# Allegro board 20250806_UNOQ.brd (continued)
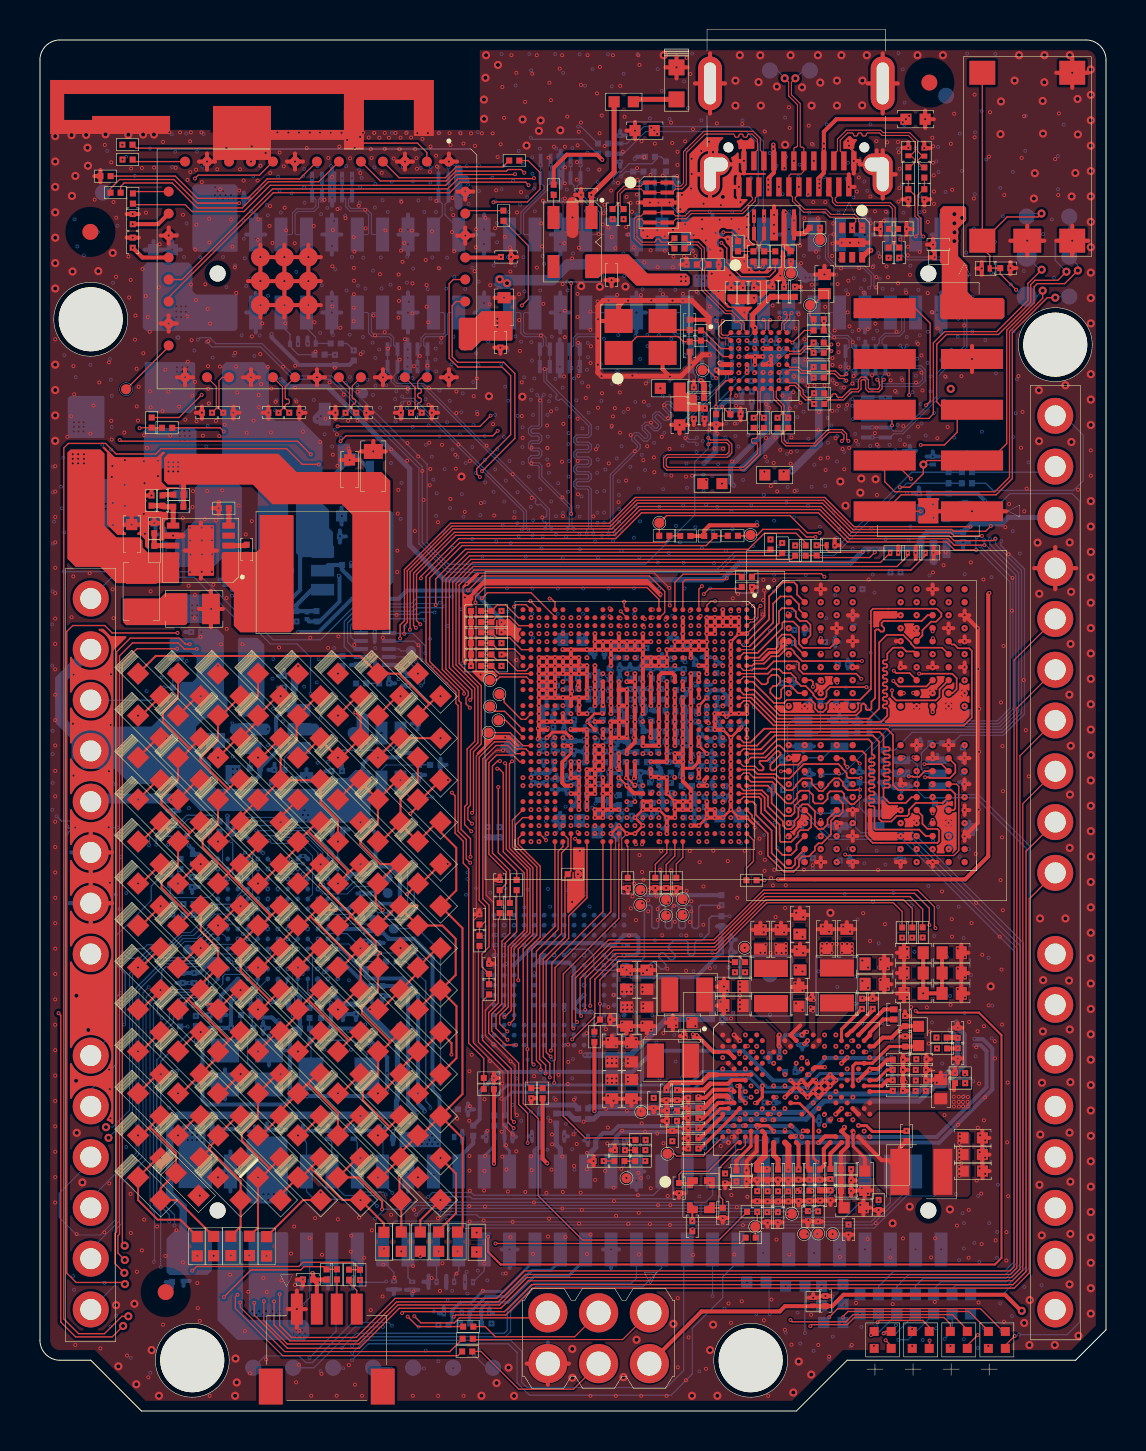
[diagram p0: board, top side]
## Copper pours and planes (outline as drawn; the poured copper is in the pictures) (continued)
PWR_3P3V on G7: 6.48,59.02 6.48,50 7.19,49.29 7.19,38.32 4.63,35.76 4.63,32.75 4.06,32.18 1.08,32.18 0.9,32.36 0.9,41.33 4.18,44.61 4.18,60.44 5.6,61.86 9.83,61.86 10.13,61.56 10.13,59.97 9.95,59.79 7.25,59.79
PWR_3P8V on BOTTOM (solid shape): 10.11,46.2 10.11,42.7 9.17,42.7 8.69,42.21 6.88,42.21 6.76,42.34 6.76,43.54 7.75,44.53 7.75,46.18 7.95,46.38 9.93,46.38
PWR_3P8V on V5: 15.47,42.6 15.67,42.39 15.67,42.15 14.72,41.2 13.94,41.2 13.51,40.77 13.51,37.01 13.21,36.7 12.29,36.7 11.86,37.13 11.86,38.2 11.87,38.21 11.87,41.54 11.87,41.54 11.87,42.31 12.16,42.6
PWR_3P8V on S6: 10.86,35.15 9.52,33.8 9.52,31.7 9.57,31.64 9.96,31.64 13.01,34.68 13.01,36.28 13.47,36.76 13.47,37.14 13.47,37.14 13.47,37.71 13.38,37.8 11.8,37.8 10.86,36.85
PWR_3P8V on S6: 15.63,42.59 15.22,42.59 14.64,42.01 11.42,42.01 10.33,43.1 10.33,43.32 10.14,43.51 9.86,43.51 9.78,43.43 9.78,42.85 11.18,41.45 14.75,41.45 15.67,42.37 15.67,42.55
USB_IN_MID on TOP: 40.97,11.76 40.97,12.21 40.65,12.53 40.65,13.13 40.75,13.23 40.87,13.23 41.7,12.4 41.7,11.73 41,11.73
USB_VBUS_IN on TOP: 39.9,9.93 39.9,12.9 40.15,13.15 40.36,13.15 40.55,12.96 40.55,12.53 40.34,12.32 40.34,10.74 40.56,10.52 40.56,9.88 40.54,9.86 39.98,9.86
VCOIN on BOTTOM (solid shape): 8.61,8.94 8.61,7.04 8.38,6.81 6.48,6.81 6.32,6.96 6.32,8.61 6.76,9.04 8.51,9.04
VCONN_IN on TOP (solid shape): 32.31,50.95 32.41,50.85 32.82,50.85 32.87,50.8 32.87,50.39 32.94,50.32 33.38,50.32 33.43,50.27 33.43,50.01 31.72,50.01 31.7,50.04 31.7,51.44 32.31,51.44
VPH_PWR on TOP: 34.81,18.34 34.29,18.34 32.92,19.71 32.36,19.71 32.36,19.15 32.38,19.13 32.87,19.13 33.87,18.13 34.88,18.13 34.88,18.28
VPH_PWR on TOP: 46.56,10.85 46.56,13.84 46.41,14 45.74,14 44.78,14.96 41.92,14.96 41.64,14.68 41.43,14.68 40.89,15.22 40.72,15.22 40.59,15.09 40.59,15.01 41.27,14.33 41.51,14.33 41.78,14.06 43.93,14.06 44.65,13.34 44.65,10.87 44.83,10.69 46.41,10.69
VPH_PWR on S3: 45.82,14.02 45.82,11.61 46.51,11.61 46.51,14.02
VPH_PWR on S6: 46.48,13.94 46.48,11.63 45.77,11.63 45.77,13.94
VPH_PWR on G7: 32.18,17.07 32.18,19.05 32.69,19.56 36.81,19.56 37.8,20.55 39.65,20.55 41.27,18.93 41.27,15.23 40.8,14.76 40.8,13.79 41.08,13.51 45.19,13.51 45.72,14.05 46.15,14.05 46.87,13.33 46.87,11.89 46.32,11.34 37.94,11.34 37.76,11.52 37.76,13.7 38.31,14.25 39.01,14.25 39.22,14.46 39.22,15.44 38.68,15.98 38.68,18.21 38.33,18.57 36.8,18.57 36.27,18.03 36.27,17.37 36.78,16.87 36.78,15.72 36.55,15.49 36.55,15.14 35.84,15.14 35.71,15.27 35.71,16.05 35.31,16.46 32.79,16.46
VREG_L1A_0P848V on TOP: 36.34,17.93 36.34,18.61 35.94,19.01 36.03,19.01 36.03,19.01 35.3,19.01 34.87,19.44 34.87,21.56 35.48,21.56 35.48,19.99 35.93,19.54 36.21,19.54 36.88,18.87 36.88,17.86 36.85,17.83 36.43,17.83
VREG_L1A_0P848V on BOTTOM: 28.21,37.21 28.21,35.45 28.4,35.26 28.4,34.37 28.91,34.37 28.91,35.26 28.72,35.45 28.72,37.27 28.95,37.5 28.95,37.75 28.9,37.8 28.55,37.8 28.5,37.75 28.5,37.49
VREG_L1A_0P848V on BOTTOM: 30.98,35.8 31.3,35.8 31.3,35.42 31.27,35.38 31.17,35.38 31.14,35.35 31.14,32.78 31.65,32.78 31.68,32.81 31.68,33.09 31.65,33.13 31.49,33.13 31.46,33.16 31.46,34.24 31.52,34.3 31.87,34.3 31.9,34.34 31.9,34.62 31.82,34.7 31.6,34.7 31.55,34.75 31.55,36.1 31.3,36.35 31.3,36.75 31.25,36.8 30.96,36.8 30.92,36.75 30.92,35.86
VREG_L1A_0P848V on BOTTOM: 32.44,35.7 32.44,35.35 32.49,35.31 32.49,34.19 32.54,34.14 32.54,33.09 32.44,33 32.44,31.65 32.75,31.65 32.75,31.8 32.82,31.87 32.82,32.59 32.89,32.65 33.21,32.65 33.21,32.94 33.17,32.97 32.97,32.97 32.79,33.15 32.79,34.21 32.73,34.27 32.67,34.27 32.63,34.3 32.63,34.65 32.67,34.69 32.89,34.69 33,34.8 33,36.5 32.7,36.5 32.7,35.96
VREG_L1A_0P848V on G2: 28.4,36.91 28.4,35.29 28.31,35.19 27.99,35.19 27.9,35.1 27.77,35.1 27.67,35 27.67,34.43 27.74,34.37 28.21,34.37 28.28,34.43 28.28,34.53 28.21,34.59 28.05,34.59 27.99,34.65 27.99,34.97 28.05,35.03 28.4,35.03 28.44,35 28.44,34.81 28.47,34.78 28.69,34.78 28.75,34.84 28.75,36.91 28.66,37.01 28.5,37.01
VREG_L1A_0P848V on G2: 31.2,36.56 31.2,32.65 31.17,32.62 30.18,32.62 29.8,33 29.71,33 29.64,32.94 29.64,32.81 30.22,32.24 31.49,32.24 31.55,32.3 31.55,36.53 31.46,36.62 31.27,36.62
VREG_L1A_0P848V on S3: 32.38,31.66 32.38,36.94 32.44,37.01 32.67,37.01 32.73,36.94 32.73,31.66 32.67,31.6 32.44,31.6
VREG_L1A_0P848V on S3: 27.67,34.43 27.67,34.62 27.77,34.72 28.18,34.72 28.37,34.91 28.37,36.91 28.44,36.97 28.72,36.97 28.79,36.91 28.79,34.62 28.56,34.4 27.7,34.4
VREG_L1A_0P848V on S3: 30.69,32.17 31.39,32.17 31.55,32.33 31.55,36.62 31.49,36.69 31.23,36.69 31.17,36.62 31.17,32.71 31.08,32.62 30.57,32.62 30.47,32.52 30.47,32.4
VREG_L1A_0P848V on S6: 28.91,37.17 28.91,34.43 28.28,34.43 28.28,37.17
VREG_L1A_0P848V on S6: 29.62,30.83 29.72,30.93 29.72,31.46 29.63,31.55 29.35,31.55 29.18,31.72 28.98,31.72 28.85,31.85 28.56,31.85 28.47,31.76 28.47,31.6 28.79,31.28 29.12,31.28 29.24,31.17 29.24,30.91 29.32,30.83
VREG_L1A_0P848V on S6: 31.55,36.21 31.55,34.72 31.65,34.62 31.81,34.62 31.87,34.56 31.87,34.43 31.81,34.37 31.58,34.37 31.52,34.3 31.52,33.25 31.71,33.06 31.71,32.94 31.15,32.94 31.15,34.63 31.2,34.69 31.2,35.7 30.98,35.93 30.98,36.47 31.17,36.66 31.46,36.66 31.46,36.31
VREG_L1A_0P848V on S6: 32.38,36.59 32.38,34.7 32.78,34.7 32.89,34.81 32.89,36.72 32.51,36.72
VREG_L1A_0P848V on G7: 34.8,23.6 33.5,24.9 28.7,24.9 26.56,27.04 26.56,32.55 28.34,34.34 28.34,35.07 28.2,35.21 28.2,37.05 28.3,37.15 28.65,37.15 28.79,37.01 32.41,37.01 32.95,36.47 32.95,34.94 32.67,34.65 32.67,33.41 33.21,32.87 33.21,32.01 32.79,31.6 32.28,31.6 32.06,31.82 31.62,31.82 31.35,32.09 29.93,32.09 29.87,32.02 29.87,30.72 29.47,30.32 29.47,28.83 30.15,28.15 35.8,28.15 37.6,26.35 37.6,21.7 35.92,20.02 35.23,20.02 34.8,20.45
VREG_L2A_1P128V on S3: 41.64,42.71 48.32,42.71 48.49,42.55 48.49,26.27 47.28,25.06 44.67,25.06 43.65,24.04 43.22,24.04 42.9,23.72 42.9,22.53 39.47,19.1 39.47,18.36 39.33,18.22 38.22,18.22 38.12,18.32 38.12,18.44 38.73,19.05 38.73,19.65 39.3,20.22 39.3,21.31 40.79,22.81 40.79,24.23 41.33,24.77 41.33,24.78 43.6,27.05 43.6,27.5 43.7,27.59 43.95,27.59 44.32,27.22 46.36,27.22 46.94,27.81 46.94,31.67 46.85,31.77 46.2,31.77 46.13,31.83 46.13,32.21 46.2,32.28 46.83,32.28 46.94,32.39 46.94,33.09 46.24,33.09 46.18,33.16 46.18,35.38 46.31,35.51 46.75,35.51 46.91,35.67 46.91,36.28 46.85,36.35 46.2,36.35 46.13,36.41 46.13,36.82 46.26,36.95 46.83,36.95 46.91,37.03 46.91,41.46 46.69,41.68 44.37,41.68 44.24,41.55 44.24,41.05 44.15,40.95 43.73,40.95 43.64,41.05 43.64,41.52 43.48,41.68 40.42,41.68 40.11,41.36 40.11,41.05 40.04,40.98 39.6,40.98 39.57,41.01 39.57,42.47 39.81,42.71 41.64,42.71
VREG_L2A_1P128V on V5: 42.24,31.88 42.24,30.68 42.39,30.53 42.93,30.53 43.08,30.68 43.08,31.8 42.88,32 42.37,32
VREG_L2A_1P128V on V5: 40.08,31.88 40.08,30.71 40.26,30.53 40.94,30.53 41.1,30.68 41.1,31.83 40.94,31.98 40.18,31.98
VREG_L2A_1P128V on S6: 33.27,31.07 33.27,31.8 33.36,31.9 33.49,31.9 33.56,31.96 33.65,31.96 33.78,32.09 33.78,32.77 33.17,33.38 33.17,33.57 33.35,33.75 33.79,33.75 34.1,34.06 34.1,34.85 33.91,35.04 33.01,35.04 32.95,35.1 32.95,35.4 33.05,35.5 33.5,35.5 33.56,35.56 33.56,36.44 33.49,36.51 33.27,36.51 33.17,36.6 33.17,36.89 33.27,36.98 34.38,36.98 34.99,37.59 38.66,37.59 38.86,37.39 38.86,36.73 38.96,36.63 40.57,36.63 40.63,36.7 40.63,37.37 40.28,37.71 40.28,38.13 40.47,38.32 43.3,38.32 43.46,38.16 43.46,37.14 43.65,36.95 46.39,36.95 46.71,36.63 46.71,31.83 46.46,31.58 39.61,31.58 39.23,31.2 36.43,31.2 36.12,30.88 33.46,30.88
VREG_L2A_1P128V on S6: 39.52,27.69 39.52,26.57 39.65,26.44 43.99,26.44 44.09,26.54 44.09,27.56 44.02,27.64 43.38,27.64 43.33,27.58 43.33,27.05 43.21,26.92 40.36,26.92 40.28,27 40.28,27.66 40.18,27.76 39.6,27.76
VREG_L3A_0P6V on G2: 32.86,37.04 32.86,36.04 33.15,35.75 33.15,35.6 32.86,35.31 32.86,34.81 33.11,34.56 33.11,34.46 32.86,34.21 32.86,33.19 33.08,32.97 33.08,32.81 32.82,32.55 32.82,31.63 32.89,31.57 33.11,31.57 33.21,31.66 33.21,32.46 33.46,32.71 33.46,32.94 33.14,33.25 33.14,33.7 33.36,33.92 33.36,34.69 33.17,34.88 33.17,35.35 33.46,35.64 33.46,35.73 33.17,36.02 33.17,37.04
VREG_L3A_0P6V on S3: 40.54,38.99 43.08,38.99 43.21,39.12 43.21,39.4 43.08,39.52 42.83,39.52 42.62,39.73 42.62,40.18 42.72,40.28 43.29,40.28 43.45,40.44 43.45,40.7 43.32,40.82 42.87,40.82 42.78,40.92 42.78,40.92 42.43,41.27 41.16,41.27 40.52,40.63 40.52,40.38 40.62,40.28 41,40.28 41.15,40.13 41.15,39.73 40.94,39.52 40.36,39.52 40.3,39.45 40.3,39.23
VREG_L3A_0P6V on S3: 40.69,29.61 43.02,29.61 43.16,29.47 43.16,29.14 42.86,28.84 42.86,28.49 43.19,28.16 43.19,28.02 42.92,27.75 42.92,26.71 41.49,25.28 39.3,25.28 39.17,25.15 39.17,21.8 37.81,20.44 37.81,18.07 37.58,17.84 37.17,17.84 37.17,18.98 36.76,19.39 36.76,22.1 37.55,22.89 37.55,26.65 37.77,26.87 40.76,26.87 40.92,27.03 40.92,27.55 40.55,27.92 40.55,28.36 40.56,28.36 40.92,28.72 40.92,28.87 40.58,29.21 40.58,29.5
VREG_L3A_0P6V on V5: 36.07,41.27 47.33,41.27 47.33,27.63 36.63,27.63 35.97,28.29 35.97,34.89 35.53,35.33 35.53,35.42 33.08,35.42 32.7,35.8 32.7,37.2 32.95,37.45 33.3,37.45 33.52,37.67 33.52,38.72
VREG_L3A_0P6V on G7: 32.98,34.53 32.98,37.1 33.24,37.36 33.65,37.36 33.75,37.26 33.75,34.59 33.56,34.4 33.4,34.4 33.3,34.3 33.3,33.79 33.3,33.75 32.95,33.75 32.95,34.49
VREG_L5A_1P232V on V5: 27.32,36.02 27.32,36.75 26.97,37.1 25.45,37.1 22.71,34.37 22.71,18.46 26.52,14.66 31.22,14.66 31.22,13.91 32.44,13.93 32.69,14.17 32.69,14.71 32.54,14.86 31.95,14.86 31.29,15.52 26.96,15.52 23.48,19.01 23.48,34.08 25.38,35.99 27.29,35.99
VREG_L5A_1P232V on S6: 30.53,31.66 30.31,31.44 30.31,28.13 31.17,27.28 31.17,14.48 31.69,13.95 33.22,13.95 33.22,27.03 30.82,29.43 30.82,31.5 30.66,31.66
VREG_L5A_1P232V on G7: 27,36.05 26.27,36.05 26.27,36.75 26.08,36.94 26.08,38.09 26.72,38.72 33.97,38.72 35.25,37.44 35.25,34.8 35.4,34.65 35.4,33.95 35.34,33.89 35.06,33.89 34.83,33.67 34.29,33.67 34.13,33.51 34.13,33.41 34.38,33.16 34.38,31.06 34.19,30.87 30.88,30.87 30.47,31.28 30.47,31.6 30.53,31.66 30.69,31.66 31.01,31.35 33.71,31.35 33.84,31.47 33.84,33.09 33.45,33.49 33.45,34.2 33.5,34.25 34.2,34.25 34.57,34.62 34.57,37.36 33.83,38.1 30.95,38.1 30.71,37.87 30.15,37.87 29.87,37.58 29.26,37.58 28.85,37.99 27.61,37.99 27,37.39
VREG_L7A_0P664V on V5: 31.71,36.4 31.71,36.75 31.9,36.94 31.9,37.2 32.25,37.55 32.25,37.9 31.23,38.91 26.11,38.91 21.81,34.61 21.81,17.97 26.27,13.51 31.29,13.51 31.32,13.49 32.03,13.49 32.84,14.3 32.84,14.78 32.89,14.83 33.38,14.83 34.21,14 34.21,12.62 33.6,12.01 26.08,12.01 21.03,17.07 21.03,34.88 25.64,39.49 31.55,39.49 32.82,38.21 32.82,37.42 32.6,37.2 32.6,36.91 32,36.31 31.81,36.31
VREG_L7A_0P664V on S6: 31.55,36.75 31.55,36.47 31.71,36.31 32.19,36.31 32.35,36.47 32.35,37.61 32.22,37.61 31.97,37.36 31.97,36.88 31.9,36.82 31.62,36.82
VREG_L8A_1P0V on V5: 28.5,33.7 27.83,33.7 27.29,34.24 27.29,34.49 27.16,34.62 27,34.62 26.59,34.21 25.19,34.21 24.68,33.7 24.68,19.93 25.98,18.63 30.64,18.63 32.46,16.81 32.46,16.15 31.72,16.15 30.08,17.9 25.53,17.9 24.05,19.39 24.05,33.95 25.03,34.94 26.69,34.94 26.91,35.16 27.26,35.16 28.34,34.08 28.44,34.08 28.59,33.92 28.59,33.79
VREG_L9A_1P0V on V5: 27.64,33.54 27.64,33.76 27.48,33.92 26.34,33.92 24.84,32.43 24.84,20.18 26.27,18.75 30.68,18.75 32.54,16.89 32.54,15.9 32.66,15.77 33.1,15.77 33.22,15.9 33.22,17.48 31.34,19.36 26.75,19.36 25.45,20.66 25.45,32.18 26.75,33.48 27.58,33.48
VREG_L10A_1P3V on V5: 32.06,37.52 31.65,37.52 30.88,38.28 26.43,38.28 22.55,34.4 22.55,18.4 26.55,14.4 30.4,14.4 30.53,14.53 30.53,14.61 31.14,14.61 31.14,13.87 30.94,13.67 26.31,13.67 21.95,18.02 21.95,34.59 26.15,38.79 31.14,38.79 32.16,37.77 32.16,37.61
VREG_L12A_0P9V on S6: 31.25,30.35 31.25,29.75 33.45,27.55 33.45,13.97 32.79,13.31 32.79,13.03 32.85,12.97 33.84,12.97 34.42,13.55 34.42,24.9 34.6,25.08 34.6,26.2 34.42,26.38 34.42,27.84 32.41,29.85 32.41,31.19 32.32,31.28 32.12,31.28 31.87,31.03 31.87,30.97
VREG_L13A_1P8V on BOTTOM: 31.52,31.05 31.52,29.35 31.4,29.23 31.4,27.35 31.1,27.05 21.31,27.05 21.25,26.99 21.25,26.56 21.31,26.5 31.35,26.5 32,27.15 32,29.2 31.95,29.25 31.95,31.05
VREG_L13A_1P8V on BOTTOM: 25.54,34.88 25.54,34.56 26.02,34.56 26.02,35.89 26.11,35.99 26.53,35.99 26.53,36.31 26.11,36.31 26.02,36.4 26.02,36.97 25.57,36.97 25.57,34.91
VREG_L13A_1P8V on G2: 29.17,30.33 29.17,30.62 29.59,31.05 31.05,31.05 31.52,30.58 31.52,30.36 31.46,30.3 31.3,30.3 31.05,30.55 29.73,30.55 29.48,30.3 29.2,30.3
VREG_L13A_1P8V on G2: 29.95,34.69 29.95,33.7 29.69,33.44 28.98,33.44 28.88,33.54 28.88,34.65 28.79,34.75 28.44,34.75 28.4,34.78 28.4,34.94 28.37,34.97 28.12,34.97 28.05,34.91 28.05,34.65 28.09,34.62 28.25,34.62 28.28,34.59 28.63,34.59 28.69,34.53 28.69,33.95 28.6,33.86 28.6,33.45 28.69,33.36 28.69,33.29 28.88,33.1 29.78,33.1 30.1,32.78 30.23,32.78 30.3,32.85 30.3,32.95 30.05,33.2 30.05,33.35 30.41,33.71 30.41,34.69
VREG_L13A_1P8V on S3: 26.43,36.59 26.43,35.13 26.37,35.07 25.86,35.07 25.73,35.19 25.73,35.38 25.83,35.48 26.15,35.48 26.27,35.61 26.27,35.83 26.02,36.08 26.02,36.56 26.05,36.59
VREG_L13A_1P8V on S6: 25.97,36.92 22.32,36.92 20.85,35.46 20.85,14.34 26.89,8.31 37.54,8.31 37.94,8.71 37.94,9.41 37.75,9.6 35.86,9.6 35.55,9.91 26.91,9.91 21.87,14.95 21.87,33.55 22.95,34.63 25.85,34.63 26.13,34.92 26.13,35.81 26.58,36.25 26.58,36.38 26.48,36.47 26.2,36.47 26.13,36.54 26.13,36.76
VREG_L13A_1P8V on G7: 24.91,34.14 27.04,34.14 27.58,34.69 28.15,34.69 28.21,34.75 28.21,35.1 27.9,35.41 27.9,37.1 28.16,37.36 28.59,37.36 28.7,37.25 31.5,37.25 31.7,37.45 31.7,37.65 31.5,37.85 31.05,37.85 30.72,37.52 29.2,37.52 28.88,37.83 27.55,37.83 27.1,37.39 27.1,35.19 26.97,35.07 26.21,35.07 26.15,35.13 26.15,36.72 25.92,36.94 25.67,36.94 24.91,36.18
VREG_L15A_1P8V on TOP (solid shape): 46.34,60.18 46.34,59.56 45.94,59.16 45.94,57.77 46.41,57.3 46.41,55.98 46.71,55.68 48.16,55.68 48.26,55.58 48.26,54.74 48.13,54.61 45.14,54.61 45.04,54.71 45.04,55.81 45.12,55.89 45.12,57.38 45.04,57.46 45.04,60.11 45.2,60.27 46.25,60.27
VREG_L15A_1P8V on BOTTOM (solid shape): 10.16,8.94 10.16,4.88 10.48,4.56 13.25,4.56 13.48,4.33 13.48,3.77 13.27,3.56 9.86,3.56 8.88,4.54 8.88,8.88 9.01,9.01 10.09,9.01
VREG_L15A_1P8V on BOTTOM (solid shape): 20.07,14.68 20.07,13.26 20.01,13.2 17.98,13.2 17.98,13.87 18.08,13.97 19.28,13.97 19.46,14.15 19.46,14.63 19.56,14.73 20.02,14.73
VREG_L15A_1P8V on S3 (solid shape): 7.45,58.12 7.45,57.12 7.24,56.92 6.43,56.92 6.29,57.06 6.29,58.21 6.31,58.23 7.34,58.23
VREG_L15A_1P8V on S3 (solid shape): 20.75,12.96 20.75,12.33 20.62,12.2 19.72,12.2 19.46,12.46 19.46,13.1 19.56,13.2 20.51,13.2
VREG_L15A_1P8V on S6 (solid shape): 14.57,4.05 14.57,3.61 14.48,3.52 12.73,3.52 12.59,3.66 12.59,4.01 12.76,4.18 14.44,4.18
VREG_L15A_1P8V on S6 (solid shape): 20.65,12.9 20.65,12.42 20.55,12.32 20.02,12.32 18.69,13.64 18.69,13.79 18.85,13.94 19.61,13.94
VREG_L15A_1P8V on BOTTOM: 25.35,32.87 24.61,32.87 24.48,32.75 24.48,31.23 24.54,31.16 25.53,31.16 25.62,31.26 26.51,31.26 26.51,30.66 26.42,30.56 25.11,30.56 24.92,30.37 24.92,28.33 25.11,28.14 29.25,28.14 29.38,28.27 29.38,29.92 29.44,29.99 29.73,29.99 29.82,29.89 29.82,27.44 29.73,27.35 21.09,27.35 20.93,27.19 20.93,25.3 21.68,24.55 21.68,16 21.05,15.37 21.05,14.41 20.85,14.21 20.85,13.4 20.64,13.19 18.69,13.19 18.6,13.28 18.6,13.88 19.88,15.16 19.88,15.77 20.41,16.3 20.41,23.34 19.31,24.44 19.31,29.27 19.91,29.88 19.91,33.88 19.05,34.75 16.65,34.75 16.46,34.56 16.46,33.36 16.37,33.27 15.82,33.27 15.59,33.5 14.97,33.5 14.92,33.55 14.92,34.45 14.16,35.21 14.16,37.24 14.35,37.43 16.59,37.43 16.63,37.39 16.63,37.09 16.23,37.09 15.96,36.82 15.96,36.09 16.1,35.95 21.28,35.95 21.72,36.39 21.72,37.47 22.4,38.15 27.83,38.15 27.9,38.09 27.9,37.74 27.74,37.58 24.97,37.58 24.87,37.48 24.87,33.79 24.97,33.7 25.38,33.7 25.38,32.9
VREG_L15A_1P8V on G2: 26.43,33.76 26.43,33.48 26.37,33.41 26.2,33.41 26.14,33.35 26.14,33.21 26.4,32.95 26.65,32.95 26.8,33.1 26.8,33.7 26.4,34.1 25.59,34.1 25.26,33.76 25.26,33.64 25.3,33.6 25.45,33.6 25.48,33.63 25.48,33.73 25.57,33.83 26.37,33.83
VREG_L15A_1P8V on S3: 13.48,3.38 19.67,3.38 20.11,3.82 20.11,5.89 20.41,6.2 20.41,7.12 20.38,7.16 19.14,7.16 19.01,7.03 19.01,4.49 18.88,4.36 13.51,4.36 13.38,4.23 13.38,3.48
VREG_L15A_1P8V on V4: 20.9,12.22 20.95,12.26 20.95,13.74 20.1,14.59 17.54,14.59 16.78,15.35 16.78,32.26 16.41,32.63 15.18,32.63 11.84,35.97 11.84,38.24 10.76,39.33 10.76,44.2 8.71,46.25 8.71,48.65 7.62,49.74 7.62,51.5 6.18,52.94 6.18,55.97 7.62,57.41 7.62,57.96 7.14,58.44 4.89,58.44 4.45,58 4.45,50.9 5.68,49.67 5.68,39.81 6.04,39.45 7.61,39.45 8.25,38.81 8.25,36.27 10.45,34.07 10.45,30.86 10.75,30.56 13.26,30.56 13.93,29.89 13.93,14.46 16.17,12.22
VREG_L15A_1P8V on V5: 20.32,13.39 19.35,13.39 19.1,13.13 19.1,6.94 19.3,6.74 20.33,6.74 20.68,7.09 20.68,13.03
VREG_L15A_1P8V on V5: 23.26,62.65 23.75,63.15 23.75,65.44 24.75,66.43 27.19,66.43 29.36,64.26 29.36,62.95 29.44,62.86 32.58,62.86 33.34,63.62 42.45,63.62 44.84,61.23 44.84,58.54 45.33,58.05 46.48,58.05 46.75,58.32 46.75,61.43 43.19,64.99 31.02,64.99 28.13,67.88 23.99,67.88 22.55,66.44 22.55,64.28 22.12,63.86 6.28,63.86 5.51,63.09 5.51,57.68 5.82,57.37 7.16,57.37 7.35,57.56 7.35,58.06 6.95,58.47 6.95,61.62 7.98,62.65
VREG_L15A_1P8V on S6: outline of 84 points within 27.48,20.14 47.8,60.3
VREG_L15A_1P8V on S6: 28.27,12.58 29.67,11.18 36.65,11.18 36.65,12.67 31.53,12.67 30.6,13.6 30.6,14.07 30.61,14.08 30.61,26.84 29.91,27.54 29.91,30.06 29.77,30.2 29.37,30.2 29.28,30.11 29.28,29.1 28.39,28.2
VREG_L15A_1P8V on G7: 29.5,29.65 29.5,30.25 30.06,30.81 33.4,30.81 33.4,30.11 33.11,30.11 32.89,30.33 32.62,30.33 32.37,30.08 30.21,30.08 29.78,29.65
VREG_L20A_2P96V on S3: 37.75,11.1 37.75,10.75 37.95,10.55 37.95,9.35 37.6,9 28.95,9 28.3,9.65 28.3,11.15 28.2,11.25 27.55,11.25 27.35,11.05 27.35,9.65 28.45,8.55 37.9,8.55 38.3,8.95 38.3,11.05 38.5,11.25 38.5,14.15 38.4,14.25 38.1,14.25 38.05,14.2 38.05,11.4
VREG_L20A_2P96V on S6: 28.3,11.3 27.75,11.85 27.75,20.8 27.65,20.9 27.2,20.9 27.1,20.8 27.1,11.5 27.85,10.75 28,10.75 28.3,11.05
VREG_L22A_3P3V on TOP (solid shape): 23.65,53.59 23.6,53.54 22.1,53.54 21.62,53.06 21.08,53.06 20.95,53.19 20.95,54.61 21.03,54.69 21.77,54.69 22.1,55.02 23.65,55.02
VREG_L22A_3P3V on S3 (solid shape): 24.3,54.55 24.3,53.45 24.16,53.31 23.37,53.31 22.61,54.08 22.61,54.84 22.68,54.91 23.93,54.91
VREG_L22A_3P3V on V4 (solid shape): 23.67,56.9 23.67,54.42 24.2,53.9 24.2,53.42 24.08,53.3 23.3,53.3 22.76,53.85 22.76,56.82 22.91,56.97 23.6,56.97
VREG_S1A_0P8V on TOP: 39.01,23.47 39.01,21.74 40.74,21.74 40.74,23.47
VREG_S1A_0P8V on BOTTOM: 27.2,31.98 27.2,29.93 27.19,29.94 26.75,29.94 26.7,29.89 26.7,28.62 26.77,28.56 28.07,28.56 28.17,28.65 28.17,29.48 28.07,29.57 28.07,30.13 28.12,30.17 28.12,30.58 28.18,30.65 29.1,30.65 29.17,30.71 29.17,31 29.07,31.09 28.28,31.09 28.18,31.19 28.18,32.01 28.44,32.27 28.44,33.25 28.4,33.29 28.12,33.29 28.09,33.32 28.09,33.64 28.05,33.67 27.61,33.67 27.61,32.4
VREG_S1A_0P8V on G2: 27.16,30.03 27.16,32.19 27.23,32.25 27.54,32.25 27.61,32.31 27.61,33.28 27.7,33.38 28.25,33.38 28.37,33.26 28.37,32 28.31,31.93 28.05,31.93 27.99,31.87 27.99,30.6 27.93,30.54 27.73,30.54 27.54,30.34 27.54,30.03 27.48,29.96 27.23,29.96
VREG_S1A_0P8V on S3: 39.01,23.46 39.01,22.54 40.47,22.54 40.76,22.83 40.76,23.37 40.67,23.46
VREG_S1A_0P8V on S3: 27.16,30.04 27.16,32.24 27.23,32.3 27.51,32.3 27.58,32.36 27.58,33.35 27.67,33.44 28.25,33.44 28.31,33.38 28.31,31.95 28.28,31.92 27.99,31.92 27.93,31.85 27.93,30.46 27.42,29.95 27.26,29.95
VREG_S1A_0P8V on V5: 29.89,21.15 25.8,25.24 25.8,31.35 27.2,32.75 27.2,33.16 27.55,33.51 28.02,33.51 28.21,33.32 28.21,33.09 28.56,32.75 29.55,32.75 30.34,31.95 30.34,26.86 32.66,24.55 35.48,24.55 35.67,24.36 35.67,23.1 35.89,22.89 38.49,22.89 39.65,24.04 41.17,24.04 41.27,23.95 41.27,21.5 40.92,21.15
VREG_S1A_0P8V on S6: 26.89,28.87 26.89,29.38 27.07,29.56 27.07,32.08 27.58,32.59 27.58,33.44 27.77,33.64 27.99,33.64 28.4,33.22 28.4,32.68 28.34,32.62 28.34,32.04 28.09,31.8 28.09,31.36 27.96,31.22 27.96,30.3 27.67,30.01 27.67,29.56 27.98,29.26 27.98,28.91 27.91,28.84 26.93,28.84
VREG_S2A_0P8V on TOP: 35.71,23.47 35.71,21.72 37.42,21.72 37.42,23.47
VREG_S2A_0P8V on BOTTOM: 29.74,33.32 29.74,33.6 29.49,33.86 29.49,35.32 29.33,35.48 29.33,36.82 29.36,36.85 30.76,36.85 30.82,36.78 30.82,36.47 30.79,36.43 29.9,36.43 29.77,36.31 29.77,35.42 29.93,35.26 29.93,33.95 30.15,33.73 30.15,33.35 30.09,33.29 29.77,33.29
VREG_S2A_0P8V on G2: 29.52,33.68 29.52,36.25 29.51,36.25 29.26,36.25 29.2,36.31 29.2,36.63 29.26,36.7 29.51,36.7 29.58,36.76 29.58,37.01 29.64,37.08 31.86,37.08 31.93,37.01 31.93,33.25 31.87,33.19 31.65,33.19 31.58,33.25 31.58,36.56 31.46,36.69 30.95,36.69 30.78,36.52 30.78,33.73 30.7,33.65 30.5,33.65 30.47,33.68 30.47,36.53 30.34,36.66 30.05,36.66 29.87,36.48 29.87,33.72 29.75,33.6 29.6,33.6
VREG_S2A_0P8V on S3: 29.26,32.84 29.26,33.38 29.51,33.63 29.51,36.19 29.45,36.25 29.32,36.25 29.26,36.31 29.26,36.63 29.32,36.7 29.51,36.7 29.58,36.76 29.58,37.08 29.64,37.14 30.72,37.14 30.78,37.08 30.78,33.69 30.66,33.57 30.5,33.57 30.34,33.74 30.34,36.57 30.27,36.63 30.02,36.63 29.96,36.57 29.96,34.75 29.9,34.69 29.9,34.33 29.96,34.27 29.96,33.57 29.55,33.16 29.55,32.86 29.47,32.78 29.33,32.78
VREG_S2A_0P8V on S3: 35.89,23.72 35.89,22.83 37.42,22.83 37.42,23.72
VREG_S2A_0P8V on S3: 31.58,33.57 31.58,36.12 31.65,36.18 31.9,36.18 31.97,36.12 31.97,33.6 31.9,33.54 31.62,33.54
VREG_S2A_0P8V on V5: 30.98,26.47 30.98,31.6 30.92,31.66 30.92,32.17 30.28,32.81 29.77,32.81 28.18,34.4 28.09,34.4 27.35,35.13 27.35,36.75 27.51,36.91 31.58,36.91 33.17,35.32 35.4,35.32 35.89,34.83 35.89,32.6 35.91,32.59 35.91,28.03 37.36,26.58 37.36,23.21 37.16,23.01 35.97,23.01 35.83,23.15 35.83,24.36 35.51,24.68 32.78,24.68
VREG_S2A_0P8V on S6: 29.96,36.27 29.96,33.51 29.84,33.38 29.8,33.38 29.55,33.13 29.29,33.13 29.26,33.16 29.26,33.35 29.39,33.48 29.39,36.72 29.55,36.88 30.57,36.88 30.82,36.62 30.82,33.95 30.66,33.79 30.41,33.79 30.41,35.99 30.57,36.15 30.57,36.21 30.38,36.4 30.09,36.4
VREG_S2A_0P8V on S6: 27.34,37 27.3,37.04 27.3,37.4 27.4,37.5 27.4,38.9 27.35,38.95 27.1,38.95 27.05,38.9 27.05,36.9 27.39,36.56 27.39,35.66 27.55,35.5 27.55,35.32 27.39,35.16 27.39,34.81 27.93,34.81 27.93,37
VREG_S3A_1P352V on TOP: 31,21.74 31.83,21.74 31.93,21.64 31.93,19.99 31.9,19.95 31.29,19.95 31.24,19.9 29.07,19.9 29,19.96 29,21.39 30.66,21.39
VREG_S3A_1P352V on S3: 29.07,21.34 29.07,19.97 30.28,19.97 30.28,21.34
VREG_S3A_1P352V on V5: 28.8,21.03 28.8,20.73 30.06,19.47 32.91,19.47 34.34,18.03 34.34,15.49 34.67,15.16 35.26,15.16 35.38,15.29 35.38,15.54 35.2,15.72 35.15,15.72 35.13,15.75 35.13,16.33 36.07,17.27 38.05,17.27 38.15,17.37 38.15,18.16 38.76,18.77 38.76,19.35 38.63,19.48 37.7,19.48 37.54,19.32 37.54,18.26 37.41,18.14 35.97,18.14 33.6,20.5 31.52,20.5 30.68,21.34 29.11,21.34
VREG_S4A_2P04V on TOP: 31.22,18.39 31.22,16.69 30.3,16.69 29.94,16.33 28.33,16.33 28.27,16.39 28.27,17.79 29.8,17.79 30.4,18.39
VREG_S4A_2P04V on S3: 28.28,17.76 28.28,16.33 29.49,16.33 29.49,17.76
VREG_S4A_2P04V on V5: 41.83,21.2 42.39,21.21 42.55,21.2 42.55,17.64 41.1,16.2 41.1,15.34 39.37,13.61 34.7,13.61 33.4,14.91 32.05,14.91 31.52,15.44 31.52,15.49 31.14,15.88 28.09,15.88 28.04,15.93 28.04,17.83 28.07,17.86 30.02,17.86 31.78,16.1 32.44,16.1 32.49,16.05 32.49,15.9 32.64,15.75 33.1,15.75 33.22,15.88 33.91,15.88 34.67,15.11 34.95,15.11 34.98,15.14 38.33,15.14 40.54,17.35 40.55,17.34 41.68,18.48 41.68,21.06
VSW_CHG on TOP: 40.84,13.77 40.97,13.89 41.07,13.89 41.44,13.53 42.99,13.53 43.13,13.67 43.51,13.67 43.61,13.56 43.61,10.77 42.47,10.77 41.84,11.4 41.84,12.45 40.84,13.45
VSW_S1 on TOP: 40.67,20.16 40.67,20.83 39.01,20.83 39.01,19.76 38.88,19.63 38.88,18.7 38.57,18.38 38.57,18.16 38.6,18.13 38.88,18.13 39.14,18.38 39.14,18.98 39.22,19.06 39.57,19.06
VSW_S2 on TOP: 37.1,18.53 37.1,18.4 37.45,18.05 37.55,18.05 37.71,18.21 37.71,18.37 37.42,18.66 37.42,18.95 37.55,19.08 37.55,19.65 37.42,19.78 37.42,20.8 35.76,20.8 35.76,19.96 36.03,19.69 36.4,19.69 37.17,18.92 37.17,18.6
VSW_S3 on TOP: 32.82,21.69 32.82,19.96 34.04,18.75 34.04,18.72 34.35,18.4 34.53,18.4 34.62,18.5 34.62,19.1 33.68,20.04 33.68,21.69
VSW_S4 on TOP: 33.83,17.53 32.97,18.39 32.11,18.39 32.11,16.69 32.99,16.69 33.35,17.04 33.78,17.04 34.04,17.3 34.37,17.3 34.67,16.99 34.77,16.99 34.85,17.07 34.85,17.19 34.51,17.53
GND on TOP (solid shape): 42.86,40.01 42.9,39.99 42.9,39.94 42.86,39.88 42.85,39.81 42.86,39.76 42.88,39.71 42.87,39.66 42.83,39.64 42.44,39.64 42.43,39.64 42.21,39.64 42.16,39.63 42.12,39.6 42.03,39.51 42,39.47 41.99,39.42 42,39.27 41.99,39.23 41.95,39.21 41.84,39.21 41.81,39.2 41.77,39.19 41.72,39.18 41.69,39.23 41.69,39.98 41.73,40.01 42.44,40.01
GND on TOP (solid shape): 44.95,45.67 44.99,45.64 44.98,45.59 44.96,45.55 44.95,45.5 44.95,44.5 44.96,44.46 44.95,44.42 44.91,44.4 43.99,44.4 43.95,44.42 43.94,44.46 43.95,44.5 43.95,44.74 43.97,44.78 44.01,44.78 44.04,44.78 44.07,44.78 44.29,45 44.07,45.23 44.04,45.23 44.01,45.22 43.97,45.23 43.95,45.27 43.95,45.5 43.94,45.55 43.92,45.59 43.91,45.64 43.95,45.67
GND on TOP (solid shape): 38.07,29.81 38.09,29.86 38.14,29.85 38.2,29.83 38.26,29.82 38.33,29.83 38.47,29.69 38.47,29.62 38.44,29.57 38.39,29.58 38.33,29.61 38.26,29.62 38.11,29.56 38.05,29.41 38.07,29.33 38.11,29.26 38.12,29.2 38.08,29.17 38.04,29.17 38,29.17 37.96,29.14 37.83,29.01 37.81,28.97 37.8,28.93 37.8,28.85 37.75,28.8 37.7,28.79 37.67,28.82 37.62,28.9 37.54,28.95 37.53,28.96 37.53,29 37.58,29 37.63,29.01 37.67,29.04 37.84,29.2 37.86,29.24 37.87,29.29 37.87,29.48 38.03,29.64 38.06,29.68 38.07,29.72
GND on TOP (solid shape): 38.05,35.46 38.1,35.43 38.09,35.38 38.06,35.32 38.05,35.26 38.26,35.04 38.48,35.26 38.47,35.32 38.44,35.38 38.43,35.43 38.48,35.46 38.53,35.46 38.66,35.33 38.66,35.14 38.67,35.09 38.69,35.05 38.75,35 38.76,34.95 38.71,34.92 37.05,34.92 36.75,35.22 36.74,35.27 36.79,35.3 37.18,35.3 37.21,35.29 37.3,35.09 37.46,35.02 37.63,35.09 37.7,35.26 37.69,35.32 37.67,35.38 37.66,35.43 37.71,35.46
GND on TOP (solid shape): 45.22,36.76 45.27,36.74 45.26,36.69 45.24,36.62 45.23,36.56 45.23,36.49 44.92,36.18 44.9,36.15 44.86,36.06 44.81,36.06 44.74,36.11 44.66,36.12 44.51,36.06 44.45,35.91 44.47,35.82 44.52,35.75 44.53,35.7 44.49,35.66 44.07,35.66 44.03,35.69 44.04,35.75 44.09,35.82 44.1,35.91 44.09,35.98 44.06,36.05 44.05,36.1 44.09,36.13 44.35,36.13 44.4,36.13 44.43,36.16 44.6,36.33 44.66,36.32 44.83,36.39 44.9,36.56 44.89,36.62 44.86,36.69 44.86,36.74 44.9,36.76
GND on TOP (solid shape): outline of 113 points within 1.5,14.35 4.32,39.13
GND on S3 (solid shape): 20.36,42.46 20.35,42.52 20.41,42.54 22.05,40.9 22.06,40.85 22.01,40.81 21.62,40.81 21.57,40.84 21.58,40.9 21.62,40.97 21.64,41.05 21.62,41.14 21.57,41.21 21.55,41.25 21.52,41.29
GND on S3 (solid shape): 34.23,55.65 34.28,55.66 34.31,55.62 34.31,55.23 34.32,55.18 34.35,55.14 34.55,54.93 34.55,54.45 34.52,54.4 34.46,54.42 34.43,54.47 34.39,54.5 34.33,54.68 34.16,54.76 33.83,54.76 33.77,54.75 33.71,54.72 33.66,54.72 33.63,54.76 33.63,55.06
GND on S3 (solid shape): 34.55,54.08 34.56,54.03 34.59,53.99 34.79,53.79 34.8,53.76 34.79,53.72 34.72,53.64 34.7,53.54 34.72,53.45 34.77,53.38 34.79,53.34 34.77,53.31 34.72,53.23 34.7,53.14 34.71,53.1 34.7,53.06 34.66,53.04 34.52,53.04 34.46,53.03 34.41,53 34.35,52.94 34.3,52.92 34.26,52.96 34.24,53.04 34.19,53.11 33.63,53.67 33.63,53.91 33.65,53.94 33.69,53.96 33.74,53.95 34.22,53.95 34.4,54.02 34.51,54.18 34.51,54.2 34.55,54.2

Small or netless copper shapes (teardrops, artwork), in the pictures only: 12 on TOP, 20 on BOTTOM, 18 on S3, 1 on V4, 28 on S6, 2 on G7, 10 on G2

## Text on the board
Ref Des/Silkscreen Bottom: 2025/07/30 | 48DMVQAD1.SGBJV
User.7: Wi-Fi Dual Band | Printed ANTENNA
User.45: FIGURE | FINISHED_SIZE | 0.1 | 0.2032 | 1.05 | 1.21 | 0.5 | 0.8 | 3.2 | 1.2x0.7 | 1.7x0.6 | 2.1x0.6 | 0.2 | ROTATION | - | 0.000 | 90.000 | DRILL CHART: TOP to G2 | ALL UNITS ARE IN MILLIMETERS | DRILL CHART: G2 to S3 | TOLERANCE_DRILL | +0.0/-0.1 | DRILL CHART: TOP to BOTTOM | DRILL CHART: S3 to S6 | DRILL CHART: G7 to BOTTOM | DRILL CHART: S6 to G7 | +0.0762/-0.0762 | +0.0508/-0.0508 | TOLERANCE_TRAVEL | PLATED | NON-PLATED | QTY | 2857 | 2360 | 224 | 32 | 6 | 2 | 4 | 849 | 2093 | 1423
